# KiCad board clarinoid-devboard.kicad_pcb (continued)
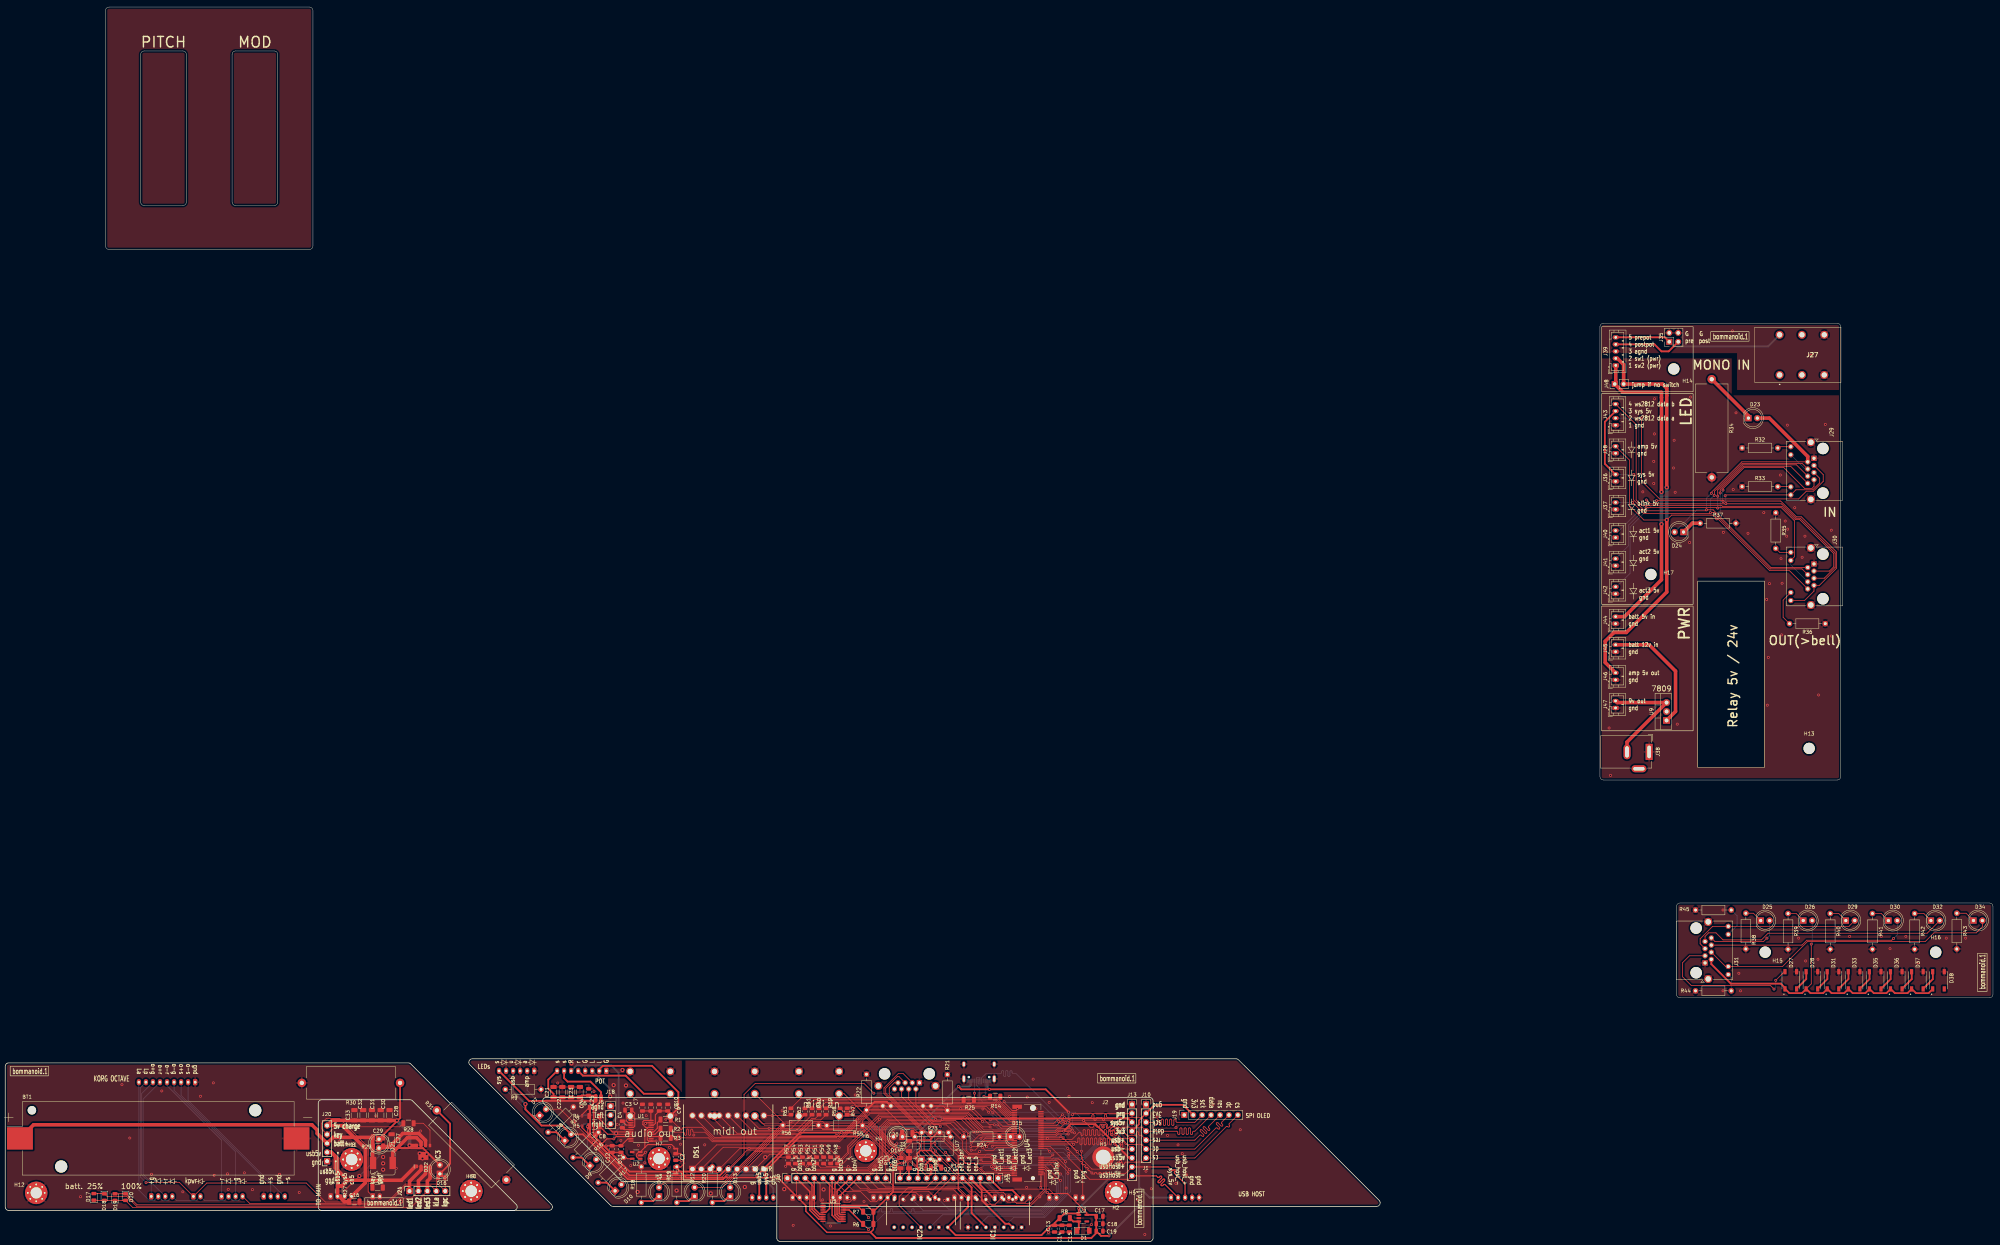
[diagram p0: board, top side]
## Routing (per net, layer and track width the routed paths; a pad name or vN(x,y) marks a point on that pad's centre or on a via; arc(x,y) is an arc through that point) (continued)
/bommanoid_main_bottom/enc_a: length 28.4
  Top w0.2: J16.11 250.32,15.5 252.3,15.5 252.69,15.1 271.32,15.1 J52.3
/bommanoid_main_bottom/enc_b: length 27.4
  Top w0.2: 275.51,12.5 272.51,15.5 252.86,15.5 J16.12
/bommanoid_main_bottom/enc_btn: length 28.9
  Top w0.2: J52.2 269.72,14.7 252.53,14.7 252.13,15.1 248.18,15.1 J16.10
/bommanoid_main_bottom/led_act1_5v: length 157
  Top w0.2: v1(254.89,22.3) 254.63,22.3 253.41,23.52 253.41,23.62 244.42,32.6 220.58,32.6 204.64,16.65 187.19,16.65 D11.2 ; J57.2 281.52,10.6 279.37,10.6 275.87,14.1 274.47,14.1 270.81,17.76 270.81,18.49 263.09,26.2 v1(263.09,26.3) 263.09,29.49 250.39,42.19 250.39,43.64 253.66,46.9 254.19,46.9 J17.5
  Bottom w0.2: v1(254.89,22.3) 258.89,26.3 v1(263.09,26.3) ; J15.3 278.43,16.85 279.07,16.85 J57.2
/bommanoid_main_bottom/led_act2_5v: length 130.6
  Top w0.2: v1(264.39,27.9) 264.39,27.4 270.39,21.4 271.34,21.4 J15.4 278.24,14.5 286.52,14.5 287.42,13.6 J57.4 ; D12.2 203.93,15.38 220.65,32.1 244,32.1 252.09,24 v1(252.09,23.9) ; v1(264.3,32.6) 263.49,32.6 254.9,41.19 J17.6
  Bottom w0.2: v1(264.3,32.6) 264.3,28 v1(264.39,27.9) 256.09,27.9 v1(252.09,23.9)
/bommanoid_main_bottom/led_act3_5v: length 134
  Top w0.2: J17.7 252.82,45.18 251.39,43.75 251.39,41.75 263.49,29.65 263.49,26.89 264.54,25.84 v1(264.54,25.74) 264.54,25.66 J15.5 273.11,18 277.11,14 283.82,14 284.52,13.3 284.52,11.7 285.02,11.2 290.12,11.2 J57.6 ; D13.2 206.14,16.92 220.92,31.7 243.77,31.7 251.4,24.07 251.4,22.3 v1(251.99,21.7)
  Bottom w0.2: v1(251.99,21.7) 252.09,21.6 260.39,21.6 v1(264.54,25.74)
/bommanoid_main_bottom/led_blink_5v: length 164.9
  Top w0.2: D10.2 176.06,17.05 204.47,17.05 220.42,33 245.02,33 254.1,23.91 v1(254.1,23.81) ; v1(267.39,25.4) 270.49,22.3 275.52,22.3 J15.2 282.92,14.9 296.8,14.9 298.92,12.78 ; v1(265.89,32.8) 265.4,33.3 264.01,33.3 256.93,40.37 J17.4
  Bottom w0.2: v1(254.1,23.81) 257.3,27 265.8,27 v1(267.39,25.4) 265.89,26.9 v1(265.89,32.8)
/bommanoid_main_bottom/led_rj45_green_5v: length 29.4
  Top w0.2: v1(263.12,21.7) 259.89,24.93 259.89,30.6 258.39,32.1 256.04,32.1 J17.12
  Bottom w0.2: J15.7 263.42,21.7 v1(263.12,21.7)
/bommanoid_main_bottom/led_rj45_yellow_5v: length 26.9
  Top w0.2: J15.6 261.3,26.37 v1(261.3,29.4) ; J17.10 264.59,34.97 v1(264.59,34.78)
  Bottom w0.2: v1(264.59,34.78) 261.3,31.48 v1(261.3,29.4)
/bommanoid_main_bottom/midi_in_ring: length 34.5
  Top w0.2: 261.94,18.66 238.55,42.05 J14.5
/bommanoid_main_bottom/midi_in_tip: length 31.2
  Top w0.2: J15.10 259.5,20.53 244.33,35.7 J14.6
/bommanoid_main_bottom/midi_out_ring: length 56.4
  Top w0.2: J15.11 256.96,22.51 245.47,34 221.19,34 J11.5
/bommanoid_main_bottom/midi_out_tip: length 54.2
  Top w0.2: J15.12 256.56,20.14 256.56,22.34 245.41,33.5 215.34,33.5 J11.6
/bommanoid_main_bottom/oled_cs: length 32
  Top w0.2: J19.7 348.08,33.54 arc(347.99,33.33) 348.08,33.12 348.12,33.07 arc(348.21,32.86) 348.12,32.65 arc(347.91,32.56) 347.7,32.65 347.66,32.69 arc(347.44,32.78) 347.23,32.69 338.3,23.76 J10.7
/bommanoid_main_bottom/oled_data: length 32
  Top w0.2: J19.4 338.3,31.38 337.94,31.38 arc(337.73,31.29) 337.64,31.08 337.64,30.71 arc(337.55,30.49) 337.34,30.41 arc(337.13,30.49) 337.04,30.71 337.04,32.05 arc(336.95,32.27) 336.74,32.35 arc(336.53,32.27) 336.44,32.05 336.44,30.71 arc(336.35,30.49) 336.14,30.41 arc(335.93,30.49) 335.84,30.71 335.84,32.05 arc(335.75,32.27) 335.54,32.35 arc(335.33,32.27) 335.24,32.05 335.24,30.71 arc(335.15,30.49) 334.94,30.41 arc(334.73,30.49) 334.64,30.71 334.64,32.05 arc(334.55,32.27) 334.34,32.35 arc(334.13,32.27) 334.04,32.05 334.04,30.71 arc(333.95,30.49) 333.74,30.41 arc(333.53,30.49) 333.44,30.71 333.44,31.08 arc(333.35,31.29) 333.14,31.38 J10.4
/bommanoid_main_bottom/oled_dc: length 32
  Top w0.2: J19.6 345.96,33.96 arc(345.87,33.75) 345.96,33.54 346.18,33.32 arc(346.26,33.11) 346.18,32.9 arc(345.96,32.81) 345.75,32.9 344.9,33.75 arc(344.68,33.84) 344.47,33.75 arc(344.38,33.54) 344.47,33.33 345.33,32.47 arc(345.42,32.26) 345.33,32.05 arc(345.12,31.96) 344.9,32.05 344.69,32.26 arc(344.48,32.35) 344.26,32.26 338.3,26.3 J10.6
/bommanoid_main_bottom/oled_rst: length 32
  Top w0.2: J10.5 338.3,28.84 339.69,30.23 arc(339.91,30.32) 340.12,30.23 340.37,29.98 arc(340.58,29.9) 340.79,29.98 arc(340.88,30.2) 340.79,30.41 339.87,31.33 arc(339.78,31.55) 339.87,31.76 arc(340.08,31.85) 340.29,31.76 341.22,30.83 arc(341.43,30.74) 341.64,30.83 arc(341.73,31.04) 341.64,31.26 340.72,32.18 arc(340.63,32.39) 340.72,32.61 arc(340.93,32.69) 341.14,32.61 342.07,31.68 arc(342.28,31.59) 342.49,31.68 arc(342.58,31.89) 342.49,32.11 342.24,32.36 arc(342.15,32.57) 342.24,32.78 J19.5
/bommanoid_main_bottom/oled_sck: length 32
  Top w0.2: J10.3 326.64,33.92 arc(326.85,33.83) 326.94,33.62 326.94,33.3 arc(327.03,33.09) 327.24,33 arc(327.45,33.09) 327.54,33.3 327.54,34.34 arc(327.63,34.55) 327.84,34.64 arc(328.05,34.55) 328.14,34.34 328.14,33.3 arc(328.23,33.09) 328.44,33 arc(328.65,33.09) 328.74,33.3 328.74,34.54 arc(328.83,34.75) 329.04,34.84 arc(329.25,34.75) 329.34,34.54 329.34,33.3 arc(329.43,33.09) 329.64,33 arc(329.85,33.09) 329.94,33.3 329.94,34.54 arc(330.03,34.75) 330.24,34.84 arc(330.45,34.75) 330.54,34.54 330.54,33.3 arc(330.63,33.09) 330.84,33 arc(331.05,33.09) 331.14,33.3 331.14,34.54 arc(331.23,34.75) 331.44,34.84 arc(331.65,34.75) 331.74,34.54 331.74,33.3 arc(331.83,33.09) 332.04,33 arc(332.25,33.09) 332.34,33.3 332.34,34.54 arc(332.43,34.75) 332.64,34.84 arc(332.85,34.75) 332.94,34.54 332.94,34.22 arc(333.03,34.01) 333.24,33.92 338.3,33.92 J19.3
/bommanoid_main_bottom/pot_sw1: length 15.2
  Top w0.5: NT4.1 169.42,42.5 166.42,45.5 159.92,45.5 158.92,46.5 J33.7
/bommanoid_main_bottom/pot_sw2: length 21.3
  Top w0.5: NT5.1 165.97,41.5 ; C25.1 163.94,41.55 C24.1 C21.1 155.92,42.01 154.42,43.51 154.42,46.05 J33.8
/bommanoid_main_bottom/prg: length 44.1
  Top w0.2: J9.2 306.42,23.9 v1(300.82,29.5) ; v1(303.52,36.1) 303.88,36.46 J13.2
  Bottom w0.2: v1(303.52,36.1) 303.52,32.2 v1(300.82,29.5)
/bommanoid_main_bottom/sys_5v: length 290.7
  Top w0.2: v1(165.52,32.7) 165.52,30.8 166.77,29.55 ; v1(266.59,34.8) 265.88,34.08 263.88,34.08 258.96,39 J17.2 ; 288.49,35 288.41,34.91 D15.2
  Top w0.5: J22.6 148.97,40 NT5.2 166.32,38.4 166.32,30 177.52,18.8 203.22,18.8 v1(205.72,21.3) ; J13.3 319.34,35 266.8,35 v1(266.59,34.8) ; J8.3 216.42,18.5 v1(216.17,18.75) 216.17,20.07 225.99,29.9 v1(242.69,29.9)
  Bottom w0.2: D9.2 165.52,25.9 v1(165.52,32.7) ; v1(242.69,29.9) 242.8,29.8 D14.2
  Bottom w0.5: J13.3 322.42,31.92 322.42,15.5 325.42,12.5 J32.1 ; v1(242.69,29.9) 244.69,31.9 260.51,31.9 264.24,35.63 265.76,35.63 v1(266.59,34.8) ; v1(205.72,21.3) 213.62,21.3 v1(216.17,18.75)
/bommanoid_main_bottom/usb_5v: length 237.5
  Top w0.5: v1(271.09,44.1) 271.89,43.3 v1(279.89,43.3) 295.89,43.3 v1(302.39,36.8) ; v2(147.92,39.1) 147.92,37.6 152.52,33 158.42,33 D8.2 164.27,30.5 177.06,17.7 204.11,17.7 v1(205.26,18.86) ; J8.2 214.42,18 v1(213.72,18.7) 226.02,31 v1(242.47,31) ; v1(300.99,31.4) 302.99,33.4 310.02,33.4 319.66,23.76 J13.7
  Bottom w0.3: J6.A4 274.37,44.23 274.39,44.2 274.67,44.48 J6.B9 ; 279.3,43.9 279.47,44.08 J6.A9 ; J6.B4 279.17,43.83 279.19,43.8
  Bottom w0.5: J22.4 144.42,42.6 v2(147.92,39.1) ; v1(242.47,31) 244.07,32.6 259.59,32.6 v1(271.09,44.1) 274.19,44.1 274.59,44.5 ; 279.3,43.9 v1(279.89,43.3) ; v1(302.39,36.8) 302.39,32.8 v1(300.99,31.4) ; v1(205.26,18.86) 213.56,18.86 v1(213.72,18.7)
/bommanoid_main_bottom/usb_data_+: length 62.1
  Top w0.2: J13.5 314.91,34.35 300.99,34.35 v1(300.8,34.15)
  Bottom w0.2: v1(300.8,34.15) 300.8,34.45 287.45,47.8 286.62,47.8 arc(286.41,47.89) 286.32,48.1 286.32,48.37 arc(286.23,48.58) 286.02,48.67 arc(285.81,48.58) 285.72,48.37 285.72,47.23 arc(285.63,47.02) 285.42,46.93 arc(285.21,47.02) 285.12,47.23 285.12,48.37 arc(285.03,48.58) 284.82,48.67 arc(284.61,48.58) 284.52,48.37 284.52,47.23 arc(284.43,47.02) 284.22,46.93 arc(284.01,47.02) 283.92,47.23 283.92,48.37 arc(283.83,48.58) 283.62,48.67 arc(283.41,48.58) 283.32,48.37 283.32,48.1 arc(283.23,47.89) 283.02,47.8 278.92,47.8 277.67,46.56 J6.B6 277.67,44.91 277.62,44.86 276.72,44.86 276.67,44.91 J6.A6
/bommanoid_main_bottom/usb_data_-: length 62.1
  Top w0.2: v1(299.59,34.15) 300.3,33.45 302.27,33.45 302.77,33.95 312.77,33.95 313.42,33.3 arc(313.51,33.09) 313.42,32.88 313.22,32.67 arc(313.13,32.46) 313.22,32.25 arc(313.43,32.16) 313.64,32.25 314.47,33.08 arc(314.68,33.17) 314.89,33.08 arc(314.98,32.87) 314.89,32.65 314.07,31.83 arc(313.98,31.61) 314.07,31.4 arc(314.28,31.31) 314.49,31.4 314.69,31.6 arc(314.9,31.69) 315.12,31.6 J13.6
  Bottom w0.2: v1(299.59,34.15) 299.54,34.15 294.19,39.5 278.19,39.5 276.99,40.7 276.99,43.7 276.17,44.53 J6.B7 276.17,46.56 276.22,46.61 277.12,46.61 277.17,46.56 J6.A7
/bommanoid_main_bottom/usb_host_+: length 22
  Top w0.3: J32.3 335.52,16.4 332.52,19.4 arc(332.43,19.61) 332.52,19.83 332.63,19.94 arc(332.72,20.15) 332.63,20.36 arc(332.42,20.45) 332.21,20.36 332.09,20.25 arc(331.88,20.16) 331.67,20.25 330.7,21.22 J13.8
/bommanoid_main_bottom/usb_host_-: length 22
  Top w0.3: J32.2 329.84,16.18 arc(329.63,16.27) 329.42,16.18 329.17,15.93 arc(328.95,15.84) 328.74,15.93 arc(328.65,16.14) 328.74,16.35 329.67,17.28 arc(329.75,17.49) 329.67,17.7 arc(329.45,17.79) 329.24,17.7 328.32,16.78 arc(328.11,16.69) 327.89,16.78 arc(327.81,16.99) 327.89,17.2 328.82,18.13 arc(328.91,18.34) 328.82,18.55 arc(328.61,18.64) 328.39,18.55 328.14,18.3 arc(327.93,18.21) 327.72,18.3 327.34,18.68 J13.9
/bommanoid_main_bottom/ws2812_data_5v: length 42.6
  Top w0.2: J15.8 264.58,21.92 260.5,26 260.5,31.5 249.89,42.1 249.89,43.7 253.99,47.8 255.32,47.8 J17.3
/bommanoid_main_top/aleft: length 14.1
  Top w0.3: v1(164,35.7) 164,36.05 C5.1 ; R4.2 166.08,38.14
  Bottom w0.3: v1(164,35.7) 164.25,35.96 J5.2
/bommanoid_main_top/aright: length 14.3
  Top w0.3: R5.2 166.08,30.31 ; v1(164,32.9) 164,32.4 C8.1
  Bottom w0.3: J5.3 164.51,33.42 v1(164,32.9)
/bommanoid_main_top/btn_x1: length 15.5
  Top w0.4: U5.7 231.34,6.38 228.82,8.9 228.82,14.17 J4.2
/bommanoid_main_top/btn_x2: length 13.6
  Top w0.4: J4.3 229.42,16.11 229.42,9.17 231.57,7.03 U5.6
/bommanoid_main_top/btn_x3: length 11.8
  Top w0.4: U5.5 232.51,7.73 231.71,7.73 230.06,9.37 J4.4
/bommanoid_main_top/btn_x4: length 11.7
  Top w0.4: U5.4 233.35,8.32 234.42,9.39 234.42,16.19 J4.5
/bommanoid_main_top/btn_x5: length 14.4
  Top w0.4: U5.9 236.89,5.73 235.14,7.47 J4.6
/bommanoid_main_top/btn_x6: length 14
  Top w0.4: J4.7 235.95,16.26 235.95,7.52 237.09,6.38 U5.10
/bommanoid_main_top/btn_x7: length 13.8
  Top w0.4: U5.11 237.29,7.03 236.55,7.77 236.55,14.32 J4.8
/bommanoid_main_top/btn_x8: length 13.4
  Top w0.4: U5.12 237.49,7.68 237.14,8.02 237.14,12.8 242.34,18
/bommanoid_main_top/enc_a: length 45.7
  Top w0.2: v1(253.28,26.6) 251.07,24.4 251.07,23.4 247.84,20.17 J4.11 ; U4.43 278.51,29.25 276.26,27 v1(274.58,27)
  Bottom w0.2: v1(274.58,27) 253.67,27 v1(253.28,26.6)
/bommanoid_main_top/enc_b: length 44.2
  Top w0.2: v1(274.69,26) 275.83,26 278.58,28.75 U4.41 ; v1(253.07,25.2) 252.68,25.2 251.47,24 251.47,23.2 250.38,22.11 J4.12
  Bottom w0.2: v1(274.69,26) 274.39,26.31 254.19,26.31 v1(253.07,25.2)
/bommanoid_main_top/enc_btn: length 47.4
  Top w0.2: 245.31,18.23 250.68,23.6 250.68,25 v1(253.47,27.8) ; v1(274.7,27.99) 277,30.3 286.93,30.3
  Bottom w0.2: v1(274.7,27.99) 253.67,27.99 v1(253.47,27.8)
/bommanoid_main_top/I2C_SCL: length 81.6
  Top w0.2: v1(300.07,19.2) 297.28,22 U4.14 ; R6.1 245.47,3.48 v1(245.47,3.4)
  Top w0.4: U5.14 239.98,8.98 R6.1
  Bottom w0.2: v1(300.07,19.2) 300.87,18.4 300.87,13.91 294.97,8 250.08,8 v1(245.47,3.4)
/bommanoid_main_top/I2C_SDA: length 81.4
  Top w0.2: R7.1 245.47,6.98 v1(245.47,6.8) ; U4.12 295.79,21.5 299.89,17.4 v1(300.07,17.4)
  Top w0.4: U5.15 242.83,9.62 R7.1
  Bottom w0.2: v1(300.07,17.4) 300.17,17.3 300.17,13.77 294.81,8.4 258.72,8.4 arc(258.51,8.49) 258.42,8.7 258.42,9.1 arc(258.33,9.31) 258.12,9.4 arc(257.91,9.31) 257.82,9.1 257.82,8.7 arc(257.73,8.49) 257.52,8.4 252.62,8.4 arc(252.41,8.49) 252.32,8.7 252.32,9.1 arc(252.23,9.31) 252.02,9.4 arc(251.81,9.31) 251.72,9.1 251.72,8.7 arc(251.63,8.49) 251.42,8.4 249.42,8.4 arc(249.21,8.49) 249.12,8.7 249.12,9.1 arc(249.03,9.31) 248.82,9.4 arc(248.61,9.31) 248.52,9.1 248.52,8.7 arc(248.43,8.49) 248.22,8.4 247.08,8.4 v1(245.47,6.8)
/bommanoid_main_top/I2S_BCK_MM: length 132
  Top w0.2: U4.50 298.69,31 299.38,31.7 303.45,31.7 v1(303.46,31.69) ; R3.1 190.32,29.5 arc(190.53,29.41) 190.62,29.2 190.62,28.97 arc(190.71,28.75) 190.92,28.67 arc(191.13,28.75) 191.22,28.97 191.22,30.03 arc(191.31,30.25) 191.52,30.33 arc(191.73,30.25) 191.82,30.03 191.82,29.8 arc(191.91,29.59) 192.12,29.5 199.97,29.5 201.07,28.4 237.28,28.4 245.68,36.8 273.84,36.8 278.04,32.6 v1(280.07,32.6)
  Bottom w0.2: v1(280.07,32.6) 280.98,31.7 303.45,31.7 v1(303.46,31.69)
/bommanoid_main_top/I2S_DIN_MM: length 131.9
  Top w0.2: v1(277.87,34.2) 274.88,37.2 245.51,37.2 237.11,28.8 201.28,28.8 198.97,31.1 195.82,31.1 arc(195.61,31.19) 195.52,31.4 195.52,31.68 arc(195.43,31.9) 195.22,31.98 arc(195.01,31.9) 194.92,31.68 194.92,30.52 arc(194.83,30.3) 194.62,30.22 arc(194.41,30.3) 194.32,30.52 194.32,31.68 arc(194.23,31.9) 194.02,31.98 arc(193.81,31.9) 193.72,31.68 193.72,30.52 arc(193.63,30.3) 193.42,30.22 arc(193.21,30.3) 193.12,30.52 193.12,30.8 arc(193.03,31.01) 192.82,31.1 190.26,31.1 R2.1 ; v1(301.56,33.86) 300.2,32.5 U4.56
  Bottom w0.2: v1(301.56,33.86) 301.52,33.9 278.18,33.9 v1(277.87,34.2)
/bommanoid_main_top/I2S_LRCK_MM: length 131.5
  Top w0.2: R1.1 191.46,32.5 191.62,32.5 arc(191.83,32.41) 191.92,32.2 191.92,32.08 arc(192.01,31.87) 192.22,31.78 arc(192.43,31.87) 192.52,32.08 192.52,32.2 arc(192.61,32.41) 192.82,32.5 198.14,32.5 201.44,29.2 236.95,29.2 245.35,37.6 275.48,37.6 279.79,33.3 281.18,33.3 v1(281.28,33.2) ; v1(302.87,32.5) 302.47,32.1 299.22,32.1 298.62,31.5 U4.52
  Bottom w0.2: v1(281.28,33.2) 282.38,32.1 302.47,32.1 v1(302.87,32.5)
/bommanoid_main_top/ld_a: length 62.3
  Top w0.2: R62.2 229.91,40.4 281.81,40.4 285.96,36.25 U4.71
/bommanoid_main_top/ld_b: length 66.4
  Top w0.2: R63.2 226.31,40.8 281.97,40.8 286.02,36.75 U4.73
/bommanoid_main_top/ld_c: length 95.6
  Top w0.2: R57.1 225.53,19.38 245.89,19.38 250.27,23.76 250.27,31.8 251.68,33.2 267.62,33.2 272.28,28.54 272.28,26.4 273.98,24.7 280.78,24.7 v1(281.28,24.2) ; v1(297.92,24.64) 297.29,24 U4.22
  Bottom w0.2: v1(281.28,24.2) 297.49,24.2 v1(297.92,24.64)
/bommanoid_main_top/ld_d: length 100.7
  Top w0.2: R53.1 228.73,20.18 245.56,20.18 249.47,24.09 249.47,32.13 251.35,34 269.68,34 v1(272.68,31) ; 294.53,28 303.46,28 v1(303.8,27.67)
  Bottom w0.2: v1(272.68,31) 272.68,30.62 273.57,29.73 273.95,29.73 275.37,28.3 281.8,28.3 281.96,28.47 303,28.47 v1(303.8,27.67)
/bommanoid_main_top/LD_dig1: length 47.3
  Top w0.2: U4.53 278.32,31.75 273.68,36.4 245.87,36.4 243.8,34.33 R55.2
/bommanoid_main_top/LD_dig2: length 82.2
  Top w0.2: v1(279.68,36.8) 278.47,38 245.18,38 239.08,31.9 232.5,31.9 R56.2 ; U4.58 298.99,33 v1(301.25,35.26)
  Bottom w0.2: v1(301.25,35.26) 300.69,34.7 281.78,34.7 v1(279.68,36.8)
/bommanoid_main_top/ld_dp: length 92.4
  Top w0.2: v1(277.07,25.6) 276.57,25.1 274.14,25.1 273.28,25.96 273.28,29.16 268.84,33.6 251.51,33.6 249.87,31.96 249.87,23.93 245.72,19.78 227.13,19.78 R54.1 ; v1(296.99,25.68) 296.17,26.5 U4.32
  Bottom w0.2: v1(296.99,25.68) 296.67,26 277.47,26 v1(277.07,25.6)
/bommanoid_main_top/ld_e: length 58.6
  Top w0.2: U4.49 277.93,30.75 273.07,35.6 248.68,35.6 239.88,26.8 239.88,25.11 236.95,22.19
/bommanoid_main_top/ld_f: length 49.2
  Top w0.2: U4.63 285.7,34.25 281.15,38.8 240.87,38.8 239.99,37.91
/bommanoid_main_top/ld_g: length 73.2
  Top w0.2: v1(300.64,36.05) 298.08,33.5 U4.60 ; R58.2 238.43,36.9 240.37,36.9 241.87,38.4 279.07,38.4 v1(280.87,36.6)
  Bottom w0.2: v1(300.64,36.05) 299.68,35.1 282.38,35.1 v1(280.87,36.6)
/bommanoid_main_top/ld_h: length 55.9
  Top w0.2: U4.65 285.76,34.75 281.31,39.2 234.67,39.2 233.42,37.95
/bommanoid_main_top/ld_j: length 57.9
  Top w0.2: U4.67 285.83,35.25 281.48,39.6 233.28,39.6 231.59,37.91
/bommanoid_main_top/ld_k: length 91.5
  Top w0.2: v1(300.22,29.8) 299.92,29.5 U4.44 ; R52.1 230.33,20.58 245.39,20.58 249.07,24.26 249.07,32.29 251.18,34.4 270.28,34.4 273.86,30.82 v1(273.86,30.43)
  Bottom w0.2: v1(300.22,29.8) 279.06,29.8 277.96,28.7 275.59,28.7 v1(273.86,30.43)
/bommanoid_main_top/ld_l: length 92.5
  Top w0.2: R51.1 231.93,20.98 245.23,20.98 248.68,24.42 248.68,32.6 250.87,34.8 271.86,34.8 v1(275.47,31.19) ; v1(302.28,30.6) 299.42,30.6 298.82,30 U4.46
  Bottom w0.2: v1(275.47,31.19) 276.27,30.4 299.21,30.4 299.42,30.6 v1(302.28,30.6)
/bommanoid_main_top/ld_m: length 90.6
  Top w0.2: R50.1 233.53,21.38 237.4,21.38 240.28,24.25 240.28,26.3 249.17,35.2 272.47,35.2 v1(276.47,31.2) ; U4.48 298.75,30.5 299.55,31.3 302.86,31.3 303.24,30.92 v1(304.1,30.92)
  Bottom w0.2: v1(304.1,30.92) 303.24,30.92 302.86,31.3 276.57,31.3 v1(276.47,31.2)
/bommanoid_main_top/ld_n: length 61
  Top w0.2: U4.51 278.03,31.25 273.28,36 248.36,36 239.48,27.12 239.48,25.28 237.4,23.2 235.73,23.2 R49.1
/bommanoid_main_top/ld_p: length 60.4
  Top w0.2: R61.2 229.42,38.35 231.07,40 281.64,40 285.89,35.75 U4.69
/bommanoid_main_top/led_act1_3v3: length 26.8
  Top w0.2: U4.8 295.56,20.5 296.01,20.05 296.01,14.61 291.6,10.2 280.65,10.2 IC1.12
/bommanoid_main_top/led_act1_5v: length 7.7
  Top w0.5: J3.3 277.28,16.11 IC1.11
/bommanoid_main_top/led_act2_3v3: length 38.9
  Top w0.2: v1(302.68,20.4) 299.57,23.5 U4.20
  Bottom w0.2: v1(302.68,20.4) 302.9,20.18 302.9,14.13 295.57,6.8 286.73,6.8 IC1.5
/bommanoid_main_top/led_act2_5v: length 19
  Top w0.5: 274.74,17.55 277.68,14.61 277.68,11.74 284.37,5.05 285.48,5.05 IC1.6
/bommanoid_main_top/led_act3_3v3: length 44.8
  Top w0.2: v1(302.2,19.4) 302.2,19.87 299.06,23 U4.18
  Bottom w0.2: v1(302.2,19.4) 302.2,13.99 295.41,7.2 279.51,7.2 IC1.2
/bommanoid_main_top/led_act3_5v: length 16.7
  Top w0.5: J3.5 274.81,15.38 274.81,8.1 IC1.3
/bommanoid_main_top/led_blink_3v3: length 16.9
  Top w0.2: IC1.9 287.67,10.8 291.47,10.8 295.61,14.93 295.61,19.45 295.56,19.5 U4.4
/bommanoid_main_top/led_blink_5v: length 11.7
  Top w0.5: IC1.8 286.41,14.6 283.22,14.6 J3.2
/bommanoid_main_top/led_rj45_green_3v3: length 58.2
  Top w0.2: v1(299.47,21.6) 298.57,22.5 U4.16
  Bottom w0.2: v1(299.47,21.6) 299.38,21.5 299.38,17.11 299.42,17.07 299.42,13.58 294.64,8.8 261.05,8.8 IC2.5
/bommanoid_main_top/led_rj45_green_5v: length 14.3
  Top w0.2: J3.7 263.92,14.8 258.17,14.8 IC2.6
/bommanoid_main_top/led_rj45_yellow_3v3: length 46.3
  Top w0.2: U4.10 295.64,21 296.68,19.97 296.68,19.26 v1(297.91,18.02)
  Bottom w0.2: v1(297.91,18.02) 298.98,16.96 298.98,16.94 299.02,16.9 299.02,13.75 294.47,9.2 268.27,9.2 IC2.2
/bommanoid_main_top/led_rj45_yellow_5v: length 8.5
  Top w0.2: IC2.3 268.99,18
/bommanoid_main_top/midi_in_ring: length 3.5
  Top w0.4: R10.1 263.26,19.22 J3.9
/bommanoid_main_top/midi_in_tip: length 14.8
  Top w0.4: U7.3 263.2,25.9 260.22,25.9 259.32,25 259.32,21.35 D2.2 259.67,18.17
/bommanoid_main_top/midi_out_ring: length 2.8
  Top w0.4: R12.1 257.02,18.06
/bommanoid_main_top/midi_out_tip: length 2.7
  Top w0.4: R13.1 254.52,18.1
/bommanoid_main_top/oled_cs: length 58.9
  Top w0.2: v1(306.02,25.7) 306.02,23.6 309.02,20.6 314.42,20.6 316.41,22.59 317.41,22.59 arc(317.62,22.5) 317.71,22.29 317.71,22.23 arc(317.8,22.02) 318.01,21.93 arc(318.22,22.02) 318.31,22.23 318.31,22.29 arc(318.4,22.5) 318.61,22.59 323.25,22.59 J1.7 ; U4.55 283.22,32.25 v1(282.28,33.2)
  Bottom w0.2: v1(282.28,33.2) 282.39,33.09 301.78,33.09 301.89,33.2 303.66,33.2 306.02,30.84 v1(306.02,25.7)
/bommanoid_main_top/oled_data: length 59
  Top w0.2: 324.42,31.46 323.35,32.53 313.39,32.53 arc(313.18,32.62) 313.09,32.83 313.09,33.1 arc(313,33.31) 312.79,33.4 arc(312.58,33.31) 312.49,33.1 312.49,32.42 arc(312.46,32.34) 312.38,32.31 312,32.31 arc(311.92,32.34) 311.89,32.42 311.89,33.1 arc(311.8,33.31) 311.59,33.4 arc(311.38,33.31) 311.29,33.1 311.29,32.83 arc(311.2,32.62) 310.99,32.53 310.49,32.53 arc(310.28,32.62) 310.19,32.83 310.19,32.88 arc(310.1,33.09) 309.89,33.18 arc(309.68,33.09) 309.59,32.88 309.59,32.83 arc(309.5,32.62) 309.29,32.53 308.55,32.53 v1(306.68,34.4) ; v1(280.47,38) 285.22,33.25 U4.59
  Bottom w0.2: v1(280.47,38) 281.68,36.8 304.28,36.8 v1(306.68,34.4)
/bommanoid_main_top/oled_dc: length 62
  Top w0.2: 324.42,26.38 323.2,27.6 318.71,27.6 arc(318.5,27.69) 318.41,27.9 318.41,28.29 arc(318.32,28.51) 318.11,28.59 arc(317.9,28.51) 317.81,28.29 317.81,27.01 arc(317.72,26.79) 317.51,26.71 arc(317.3,26.79) 317.21,27.01 317.21,27.3 arc(317.12,27.51) 316.91,27.6 316.01,28.5 314.92,28.5 arc(314.71,28.41) 314.62,28.2 314.62,27.8 arc(314.53,27.59) 314.32,27.5 arc(314.11,27.59) 314.02,27.8 314.02,29.2 arc(313.93,29.41) 313.72,29.5 arc(313.51,29.41) 313.42,29.2 313.42,27.8 arc(313.33,27.59) 313.12,27.5 arc(312.91,27.59) 312.82,27.8 312.82,29.2 arc(312.73,29.41) 312.52,29.5 arc(312.31,29.41) 312.22,29.2 312.22,27.8 arc(312.13,27.59) 311.92,27.5 arc(311.71,27.59) 311.62,27.8 311.62,29.2 arc(311.53,29.41) 311.32,29.5 arc(311.11,29.41) 311.02,29.2 311.02,27.8 arc(310.93,27.59) 310.72,27.5 arc(310.51,27.59) 310.42,27.8 310.42,29.2 arc(310.33,29.41) 310.12,29.5 arc(309.91,29.41) 309.82,29.2 309.82,27.8 arc(309.73,27.59) 309.52,27.5 arc(309.31,27.59) 309.22,27.8 309.22,29.2 arc(309.13,29.41) 308.92,29.5 arc(308.71,29.41) 308.62,29.2 308.62,27.8 arc(308.53,27.59) 308.32,27.5 arc(308.11,27.59) 308.02,27.8 308.02,29.2 arc(307.93,29.41) 307.72,29.5 arc(307.51,29.41) 307.42,29.2 307.42,27.8 arc(307.33,27.59) 307.12,27.5 arc(306.91,27.59) 306.82,27.8 306.82,29.2 arc(306.73,29.41) 306.52,29.5 arc(306.31,29.41) 306.22,29.2 306.22,27.8 arc(306.13,27.59) 305.92,27.5 arc(305.71,27.59) 305.62,27.8 305.62,29.2 arc(305.53,29.41) 305.32,29.5 arc(305.11,29.41) 305.02,29.2 305.02,28.5 305.02,28.3 arc(304.96,28.16) 304.82,28.1 304.62,28.1 arc(304.48,28.16) 304.42,28.3 arc(304.36,28.44) 304.22,28.5 U4.40
/bommanoid_main_top/oled_rst: length 60.5
  Top w0.2: U4.42 300.98,29 300.98,29 303.32,29 305.32,31 305.62,31 arc(305.83,30.91) 305.92,30.7 305.92,30.4 arc(306.01,30.19) 306.22,30.1 arc(306.43,30.19) 306.52,30.4 306.52,31.6 arc(306.61,31.81) 306.82,31.9 arc(307.03,31.81) 307.12,31.6 307.12,30.4 arc(307.21,30.19) 307.42,30.1 arc(307.63,30.19) 307.72,30.4 307.72,31.6 arc(307.81,31.81) 308.02,31.9 arc(308.23,31.81) 308.32,31.6 308.32,30.4 arc(308.41,30.19) 308.62,30.1 arc(308.83,30.19) 308.92,30.4 308.92,31.6 arc(309.01,31.81) 309.22,31.9 arc(309.43,31.81) 309.52,31.6 309.52,30.4 arc(309.61,30.19) 309.82,30.1 arc(310.03,30.19) 310.12,30.4 310.12,31.6 arc(310.21,31.81) 310.42,31.9 arc(310.63,31.81) 310.72,31.6 310.72,30.4 arc(310.81,30.19) 311.02,30.1 arc(311.23,30.19) 311.32,30.4 311.32,31.6 arc(311.41,31.81) 311.62,31.9 arc(311.83,31.81) 311.92,31.6 311.92,30.4 arc(312.01,30.19) 312.22,30.1 arc(312.43,30.19) 312.52,30.4 312.52,31.6 arc(312.61,31.81) 312.82,31.9 arc(313.03,31.81) 313.12,31.6 313.12,30.4 arc(313.21,30.19) 313.42,30.1 arc(313.63,30.19) 313.72,30.4 313.72,31.6 arc(313.81,31.81) 314.02,31.9 arc(314.23,31.81) 314.32,31.6 314.32,30.4 arc(314.41,30.19) 314.62,30.1 arc(314.83,30.19) 314.92,30.4 314.92,31.6 arc(315.01,31.81) 315.22,31.9 arc(315.43,31.81) 315.52,31.6 315.52,30.4 arc(315.61,30.19) 315.82,30.1 arc(316.03,30.19) 316.12,30.4 316.12,31.6 arc(316.21,31.81) 316.42,31.9 arc(316.63,31.81) 316.72,31.6 316.72,31.3 arc(316.81,31.09) 317.02,31 318.22,31 318.99,30.23 321.39,30.23 arc(321.6,30.32) 321.69,30.53 321.69,30.93 arc(321.78,31.14) 321.99,31.23 arc(322.2,31.14) 322.29,30.93 322.29,30.53 arc(322.38,30.32) 322.59,30.23 323.11,30.23 324.42,28.92